# Altium PCB BACKPMANv20.PcbDoc (part 2 of 4) (continued)
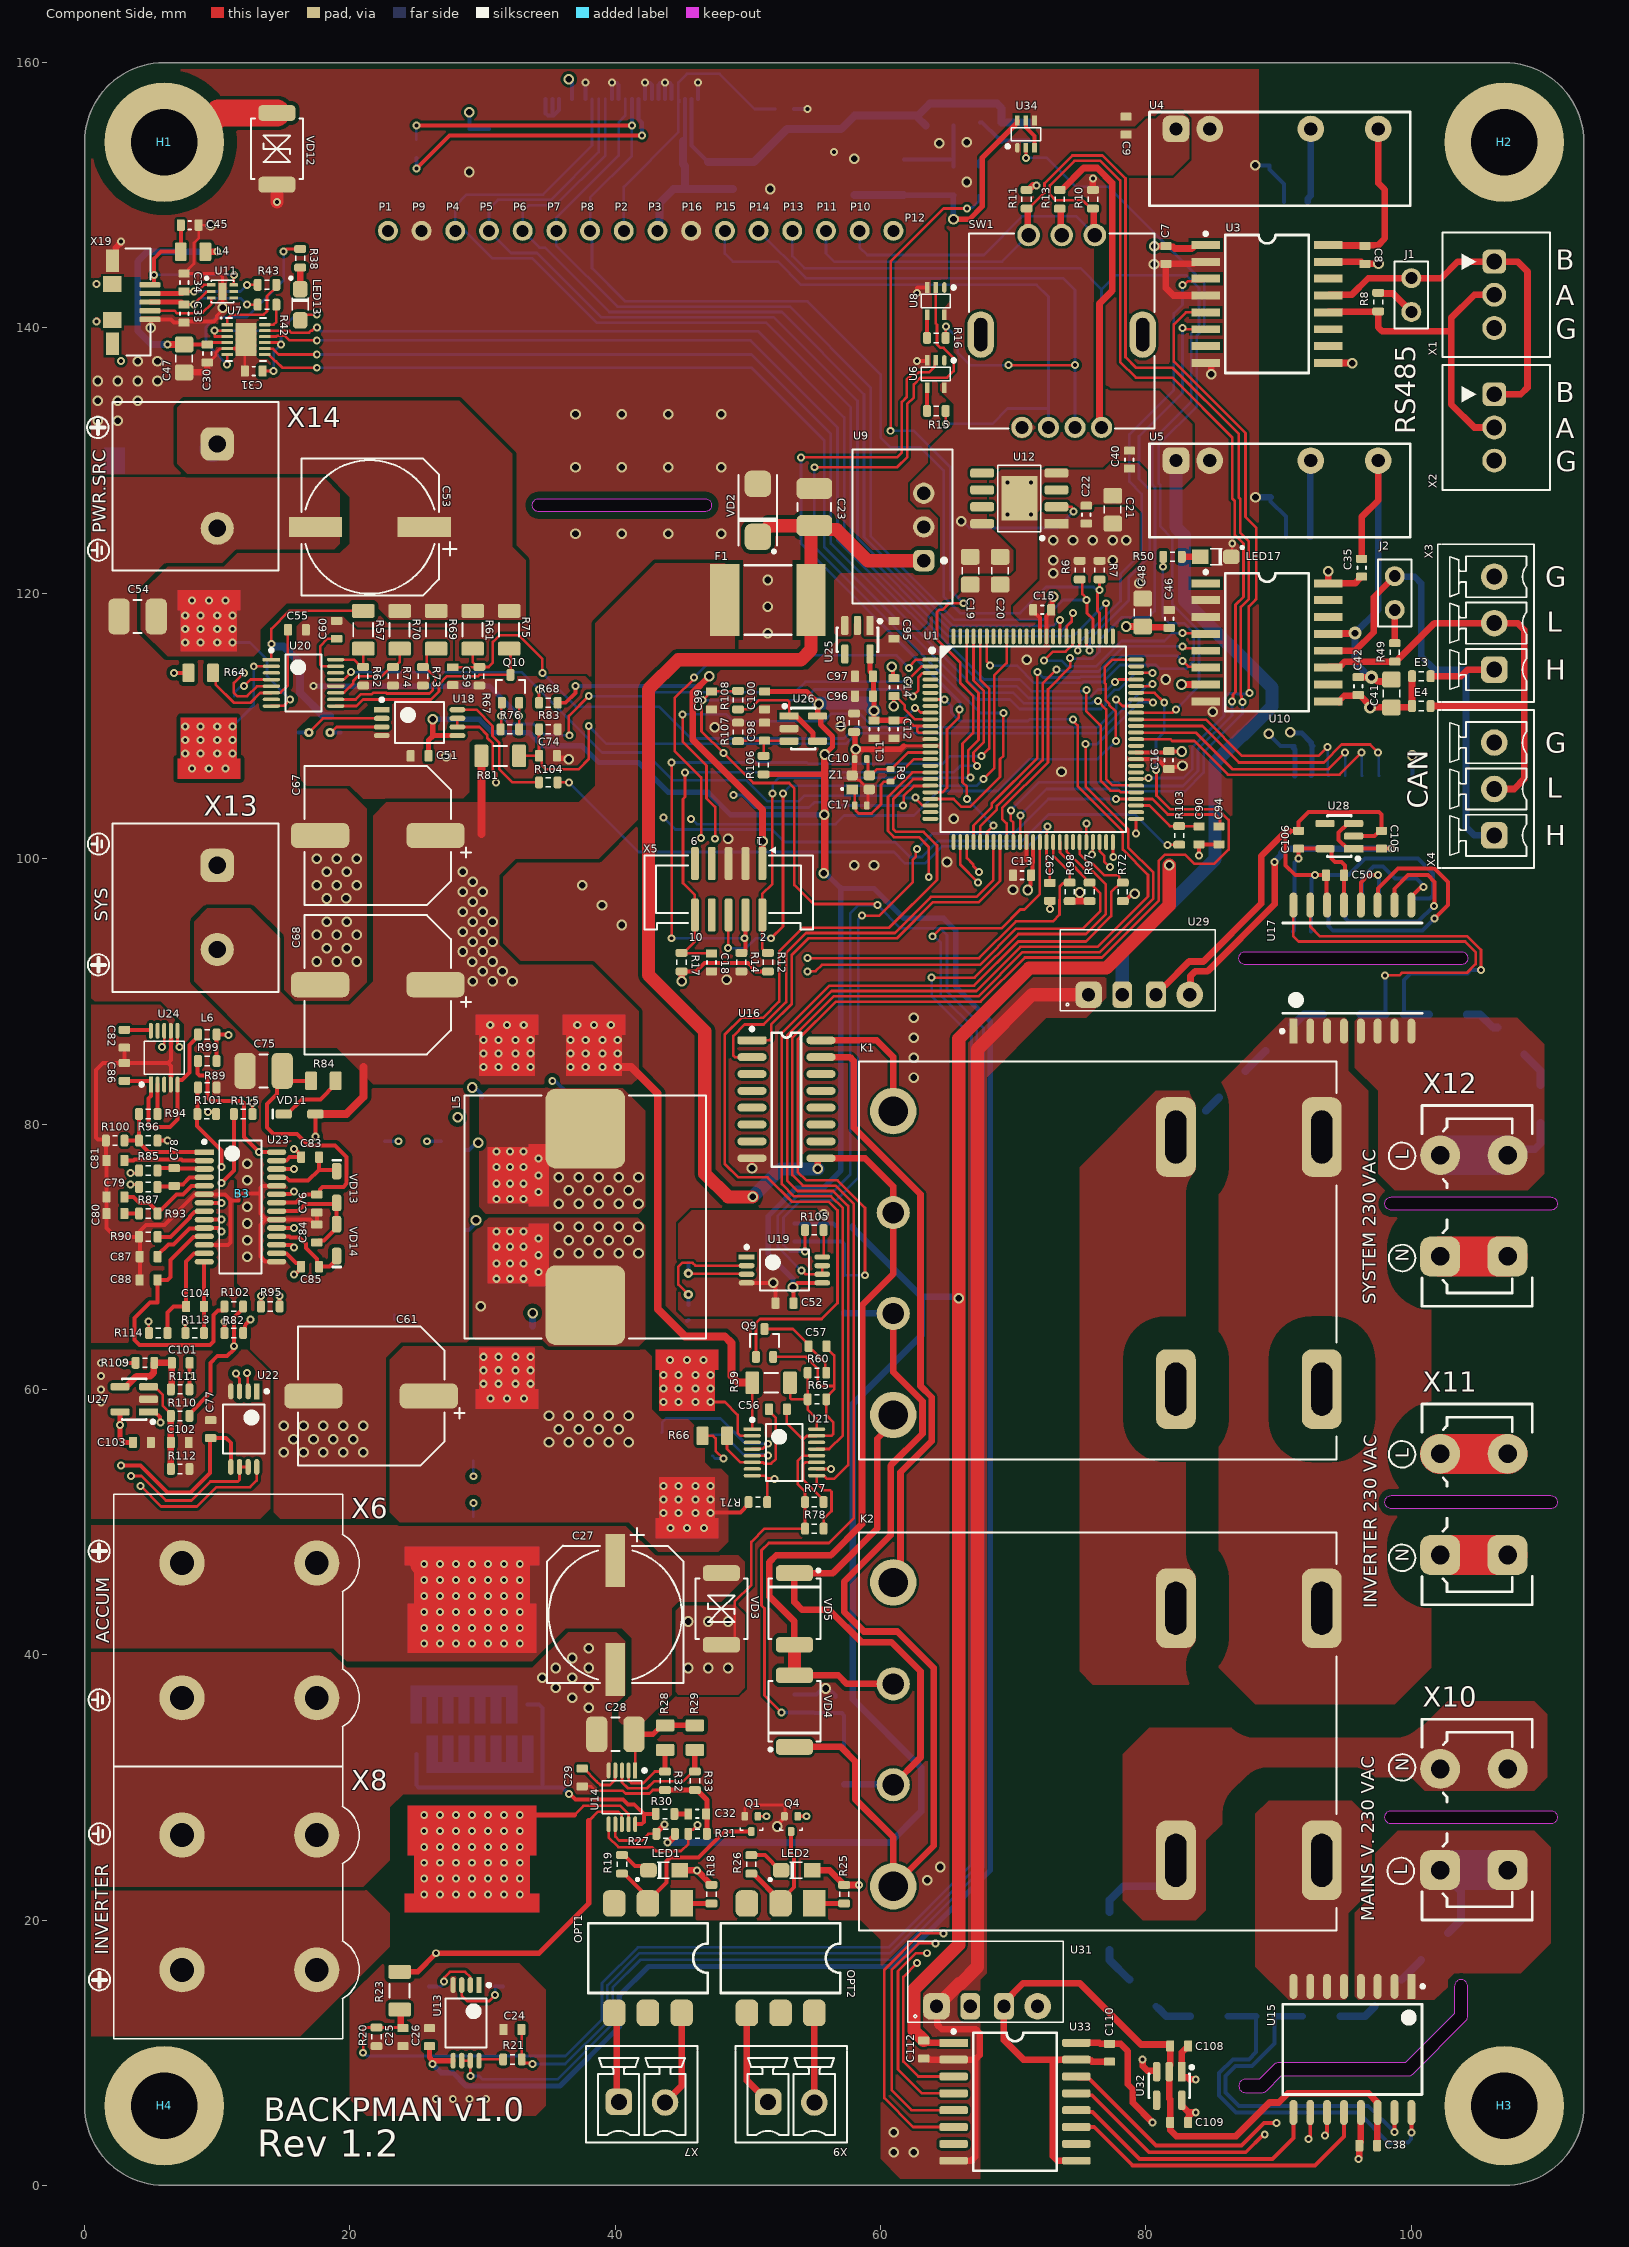
[diagram p0: Component Side view]
## Part data (continued)
R111 R112: library part ERA-3AEB823V, "82 kOhms, ±0.1%, 0.1W, 1/10W, Thin Film, ±25ppm/°C, 0603 (1608 Metric), -55°C ~ 155°C, Automotive AEC-Q200", Manufacturer="Panasonic Electronic Components", Operating Temperature="-55°C ~ 155°C", Package / Case="0603 (1608 Metric)", PartNum=P82KDBCT-ND, Power (Watts)="0.1W, 1/10W", Temperature Coefficient=±25ppm/°C, Tolerance=±0.1%, Voltage=75V, Distributor=Digi-Key, Features="Automotive AEC-Q200", Part Number=ERA-3AEB823V, PartName=ERA-3AEB823V, Price=0.26
R116 R117: "2 MOhms ±1% 0.25W, 1/4W Chip Resistor 1206 (3216 Metric) High Voltage Thick Film,-55°C ~ 155°C", Manufacturer="Vishay Dale", PartNum=BC2835CT-ND, Tolerance=±1%, Voltage=2000V, Distributor=Digi-Key, PartName=RCV12062M00FKEA, Price=0.29$
SW1: "Rotary Encoder Mechanical 24 Quadrature (Incremental) Vertical", Manufacturer="Bourns Inc.", PartNum=PEL12D-4225S-S2024-ND, Distributor=Digi-Key, PartName=PEL12D-4225S-S2024, Price=3.62$
U1: "ARM® Cortex®-M4F Kinetis KE1xF Microcontroller IC 32-Bit 168MHz 512KB (512K x 8) FLASH 100-LQFP (14x14), -40°C ~ 105°C", Manufacturer="NXP USA Inc.", PartNum=MKE18F512VLL16-ND, Distributor=Digi-Key, PartName=MKE18F512VLL16, Price=7.93$
U2: "Boost DC/DC, 2.5..5.5 to 1.24..32V, 900vA, 2.5Mhz, SOT-23-5, -40..+125 C", Manufacturer="Microchip Technology", PartNum=576-3967-1-ND, Distributor=Digi-Key, PartName=MIC2250-1YD5-TR, Supplier 1=Digi-Key, Supplier Part Number 1=576-3967-1-ND
U3: "RS422, RS485 Digital Isolator 2500Vrms 3 Channel 500kbps 25kV/µs CMTI 16-SOIC, -40°C ~ 85°C", Manufacturer="Analog Divices", PartNum=ADM2483BRWZ-ND, Distributor=Digi-Key, PartName=ADM2483BRWZ, Price=6.25$
U4 U5: "1W DC-DC Unregulated Single Output , 5V in, 5 V out,  200mA, 4 kV, -40°C ~ 85°C", Manufacturer="Recom Power", PartNum=945-3160-ND, Distributor=Digi-Key, PartName=RFMM-0505S, Price=1.7$
  U5: Supplier 1=Digi-Key, Supplier Part Number 1=945-3160-ND
U6 U8: "IC SGL SCHMITT BUFFER SOT353", Manufacturer="Diodes Incorporated", PartNum=74LVC1G17SE-7CT-ND, Distributor=Digi-Key, PartName=74LVC1G17SE-7
U7: library part FT234XD, "USB Bridge, USB to UART USB 2.0 UART Interface 12-DFN (3x3)", Manufacturer=FTDI, PartNum=768-1178-1-ND, Distributor=Digi-Key, PartName=FT234XD-R, Price=1.97$
U9: "Linear Regulator Replacement DC DC Converter 1 Output 5V 500mA 6.5V - 36V Input", Manufacturer="CUI Inc.", PartNum=102-4244-ND, Distributor=Digi-Key, PartName=VX7805-500, Price=2.7$
U10: "IC Isol TXRX CAN HS 16SOIC", Manufacturer="Analog Divices", PartNum=ADM3054BRWZ-RL7CT-ND, Distributor=Digi-Key, PartName=ADM3054BRWZ-RL7
U11: "TVS DIODE 5.5VWM 12VC 6HXSON", Manufacturer="NXP Semiconductors", PartNum=568-10921-1-ND, Distributor=Digi-Key, PartName=PUSBM5V5X4-TL,115
U12: "LDO, 3.3 V, 1A, 0.36V@1A, Vin=6V max, -40..+85C, 8-SO-EP", Manufacturer="Diodes Incorporated", PartNum=AP7361C-33SP-13DICT-ND, Distributor=Digi-Key, PartName=AP7361C-33SP-13, Price=0.56$
U13 U18 U19: "Current Sense Amplifier, 50V/V, 2V/us, 400KHz, -40°C ~ 125°C, 8-TSSOP", Manufacturer="Texas Instruments", PartNum=296-50473-1-ND, Distributor=Digi-Key, PartName=INA240A2QPWRQ1, Price=3.48$, Supplier 1=Digi-Key, Supplier Part Number 1=296-50473-1-ND
U14: library part LTC4368HMS-1_PBF, "100V UV/OV and Reverse  Protection Controller with  Bidirectional Circuit Breaker, 10-Lead Plastic MSOP, -40°C...85°C", Manufacturer="Analog Devices", PartNum=LTC4368HMS-1#PBF-ND, Distributor=Digi-Key, PartName=LTC4368HMS-1#PBF, Price=3.12$
U15 U17: "Single Phase, Isolated, AC Power Monitoring IC / with Voltage Zero Crossing and Overcurrent Detection. 517 Vrms, 90A, SPI, 3.3V,  16-SOIC (0.295\", 7.50mm Width), -40°C ~ 125°C", Manufacturer="Allegro MicroSystems", PartNum=620-ACS37800KMACTR-030B3-SPICT-ND, Distributor=Digi-Key, PartName=ACS37800KMACTR-030B3-SPI, Price=5.4$
U16: "TRANS 7 NPN DARL 50V 500MA 16SO", Manufacturer=STMicroelectronics, PartNum=497-2345-1-ND, Distributor=DigiKey, PartName=ULN2003D1013TR, Price=0.52$
U20 U21: "Surge Stopper  with Ideal Diode, 4-80V, 16-Lead MSOP, -40°C...125°C", Manufacturer="Analog Devices", PartNum=LTC4364HMS-2#PBF-ND, Distributor=Digi-Key, PartName=LTC4364HMS-2#PBF, Price=5.66$, Supplier 1=Digi-Key, Supplier Part Number 1=LTC4364HMS-2#PBF-ND
U22: "Current Sense Amplifier, 20V/V, 2V/us, 400KHz, -40°C ~ 125°C, 8-TSSOP", Manufacturer="Texas Instruments", PartNum=296-50472-1-ND, Distributor=Digi-Key, PartName=INA240A1QPWRQ1, Price=2.8$, Supplier 1=Digi-Key, Supplier Part Number 1=296-50472-1-ND
U23: "Buck-Boost Regulator Positive Output Step-Up/Step-Down DC-DC Controller IC, 28-SSOP, -40°C ~ 125°C", Manufacturer="Linear Technology/Analog Devices", PartNum=LTC3789EGN#PBF-ND, Distributor=Digi-Key, PartName=LTC3789EGN#PBF, Price=5.6$, Supplier 1=Digi-Key, Supplier Part Number 1=LTC3789EGN#PBF-ND
U24: "10-Bit Digital-to-Analog Converter with Two-Wire Interface", Manufacturer="Texas Instruments", PartNum=296-DAC80501MDGSTCT-ND, Distributor=Digi-Key, PartName=DAC80501MDGST, Price=6$, Supplier 1=Digi-Key, Supplier Part Number 1=296-DAC80501MDGSTCT-ND
U25 U28 U32: "LDO 3.3 V, 250 mA, Vin < 5.5V, Iq < 12uA, -40..+125 C, SOT23-5", Manufacturer="Texas Instruments", PartNum=296-40365-1-ND, Distributor=Digi-Key, PartName=LP5907QMFX-3.3Q1, Supplier 1=Digi-Key, Supplier Part Number 1=296-40365-1-ND
U26: "Voltage Feedback Amplifier 1 Circuit Rail-to-Rail SOT-23-5", Manufacturer="Texas Instruments", PartNum=296-39224-1-ND, Distributor=Digi-Key, PartName=THS4281DBVR, Supplier 1=Digi-Key, Supplier Part Number 1=296-39224-1-ND
U27: "OpAmp,  Rail-to-Rail,  4,5MHz, VSS 2.7V ~ 40V, Vofs125µV,  SOT-23-5, -40°C ~ 125°C", Manufacturer="Texas Instruments", PartNum=296-OPA991IDBVRCT-ND, Distributor=Digi-Key, PartName=OPA991IDBVR, Price=1.34$, Supplier 1=Digi-Key, Supplier Part Number 1=296-OPA991IDBVRCT-ND
U29 U31: "200mA, DC-DC Unregulated Single Output , 5V in, 5 V out,  -40°C ~ 105°C", Manufacturer="Mornsun America, LLC", PartNum=2725-B0505S-1WR3-ND, Distributor=Digi-Key, PartName=B0505S-1WR3, Price=1.22$, Supplier 1=Digi-Key, Supplier Part Number 1=2725-B0505S-1WR3-ND
U30 U33: "IC ISOLATOR 4CH 5.5V 16-SOIC", Manufacturer="Silicon Laboratories Inc", PartNum=336-1762-5-ND, Distributor=Digi-Key, Price=3.46$
  U33: Supplier 1=Digi-Key, Supplier Part Number 1=336-1762-5-ND
U34: "Transistor Load Switch PNP Pre-Biased, N-Channel Pre-Biased 50V PNP, 60V N-Channel 200mA PNP, 115mA N-Channel Surface Mount SOT-363", Manufacturer="Diodes Incorporated", PartNum=LMN200B02DICT-ND, Distributor=Digi-Key, PartName=LMN200B02-7, Price=0.49$, Supplier 1=Digi-Key, Supplier Part Number 1=LMN200B02DICT-ND
VD1: "150 mA, 75V, 1005, 125 C", Manufacturer="Comchip Technology", PartNum=641-1004-1-ND, Distributor=Digi-Key, PartName=CDSF4148, Price=0.23$
VD2: "DIODE TVS 28V 400W UNI 5% SMD", Manufacturer="Bourns Inc.", PartNum=SMAJ28ABCT-ND, Distributor=Digi-Key, PartName=SMAJ28A, Price=0.18$
VD3: "TVS 600W, Vbr=33.3V, Vcl=48.4V,  Bidirectional, SMB, -55°C ~ 150°C", Manufacturer="Diodes Incorporated", PartNum=SMBJ30CA-FDICT-ND, Distributor=Digi-Key, PartName=SMBJ30CA-13-F, Price=0.21$
VD4 VD5: "TVS 600W 28V Bidirectional", Manufacturer=Littelfuse, PartName=SMBJ28CABCT-ND, Distributor=DigiKey, PartNum=SMBJ28CABCT-ND, Price=0.38$
VD6 VD7: "Series Shottky Diodes array, 40V, 300 mA, SOT-323, -40°C...150°C", Manufacturer=STMicroelectronics, PartNum=497-17757-1-ND, Distributor=Digi-Key, PartName=BAT54SWFILMY
VD8 VD10: "TVS 600W, Vbr=31.1V, Vcl=45.4V, Ipp=13.2A,  Bidirectional, SMB, -55°C ~ 150°C", Manufacturer="Diodes Incorporated", PartNum=SMBJ28CA-FDICT-ND, Distributor=Digi-Key, PartName=SMBJ28CA-13-F, Price=0.21$
VD9: "Schottky Power Rectifier 15A, 50V, 470mV @ 15A, SMA, -65°C ~ 150°C", Manufacturer="Diodes Incorporated", PartNum=SBRT15U50SP5-13DICT-ND, Distributor=Digi-Key, PartName=SBRT15U50SP5-13, Price=0.83$
VD11 VD13 VD14: library part BAS316-TP, "Diode 100V, 250mA (DC), 1.25V @ 150mA, 4ns, SC-76, SOD-323, -65°C ~ 150°C", Current - Average Rectified (Io)="250mA (DC)", Current - Reverse Leakage @ Vr="1µA @ 75V", Manufacturer="Micro Commercial Co", Operating Temperature="-65°C ~ 150°C", Package / Case="SC-76, SOD-323", PartNum=BAS316-TPMSCT-ND, Voltage - DC Reverse (Vr) (Max)=100V, Voltage - Forward (Vf) (Max) @ If="1.25V @ 150mA", Distributor=Digi-Key, PartName=BAS316-TP, Part Number=BAS316-TP, Price=0.22000, Reverse Recovery Time (trr)=4ns, Speed="Fast Recovery =< 500ns, > 200mA (Io)"
VD12: "TVS 600W 28V Bidirectional", Manufacturer=Littelfuse, PartNum=SMBJ28CABCT-ND, Distributor=DigiKey, Price=0.38$
X1 X2: "Printed-circuit board connector - MCV 0,5/ 3-G-2,5 - 1881561", Manufacturer="Phoenix Contact", PartName="MCV 0,5/ 3-G-2,5", Distributor="Phoenix Contact", PartNum=1881561, Price=0.33
X3 X4: "HEADER, VERTICAL, 3.5MM, 3WAY", Manufacturer="PHOENIX CONTACT", PartName="MCV 1,5/3-G-3,5", PartNum=1843619, Distributor=Farnell
X5: "10 Positions Header Connector 0.050\" (1.27mm) Surface Mount Gold", Manufacturer="Samtec Inc.", PartName=SHF-105-01-L-D-SM
X6 X8: "TERMINAL BLOCK, PCB, 10.16MM, 2WAY", Manufacturer="PHOENIX CONTACT", PartNum=1734796, Distributor=Farnell, Price="2.83 Euro"
X7 X9: "HEADER, VERTICAL, 3.5MM, 2WAY", Manufacturer="PHOENIX CONTACT", PartNum=1843606, Distributor=Farnell, PartName="MCV 1,5/2-G-3,5"
X10 X11 X12: "Header, Nominal current: 16 A, Rated voltage (III/2): 630 V, Number of positions: 2, Pitch: 7.62 mm, Color: green", Manufacturer="PHOENIX CONTACT", PartNum=1756485, Distributor="PHOENIX CONTACT", PartName="GICV 2,5 HC/ 2-G-7,62", Price="0.66 Euro"
X13 X14: "TERMINAL BLOCK, 2WAY, 6.35 mm, 32A, 500V", Manufacturer="Phoenix Contacts", PartNum=3704683, Distributor=Farnell, Price="1.49 Euro"
X19: "USB - micro B USB 2.0 Receptacle Connector 5 Position Surface Mount, Right Angle", Manufacturer="Amphenol FCI", PartNum=609-4052-1-ND, Distributor=Digi-Key, PartName=10104110-0001LF, Price=0.79$
Z1: "16 MHz, 9 pF, ±10ppm, 2.00mm x 1.60mm, -20°C ~ 70°C", Manufacturer="Abracon LLC", PartNum=535-13598-1-ND, Tolerance="10 ppm", Distributor=Digi-Key, PartName=ABM11-16.000MHZ-9-B1U-T, Price="0.98 $"
P1 P2 P3 P4 P5 P6 P7 P8 P9 P10 P11 P12 P13 P14 P15 P16: PartName="Pin 0.9 mm"

## Via types
v1: diameter 0.6, hole 0.3, Component Side to Bottom Layer, tented both sides, 260 vias
v2: diameter 0.8, hole 0.5, Component Side to Bottom Layer, tented both sides, 242 vias
v3: diameter 0.61, hole 0.3, Component Side to Bottom Layer, tented both sides, 135 vias
v4: diameter 0.6, hole 0.3, Component Side to Bottom Layer, 88 vias
v5: diameter 1, hole 0.5, Component Side to Bottom Layer, tented both sides, 2 vias
v6: diameter 0.9, hole 0.5, Component Side to Bottom Layer, tented both sides, 1 vias

## Nets (pads, with @x,y where several pads share a name; then routed paths per layer and width w, separated by ;. In a path a pad name is that pad's centre, name@x,y a point inside that pad or via, vN(x,y) a via of type N, cw(c..) or ccw(c..) an arc to the next point about the centre after c; other vN are vias at no path point)
+3.3ADCV: C11.2 C12.1 C26.1 C51.1 C52.1 C77.1 C96.2 C97.1 C100.1 C103.1 R106.2 U1.11 U1.12 U13.5 U18.5 U19.5 U22.5 U25.5 U26.5 U27.5 | length 371.6
  Component Side w0.2: 61.85,110.425 62.086,110.425 62.494,110.017 62.883,110.017 62.9,110 ; U1.12@63.75,109.5 62.867,109.5 62.75,109.617 62.75,109.85 62.9,110 ; U1.11@63.75,110 62.9,110
  Component Side w0.3: v1(2.75,54.25) 4.225,54.25 6.25,52.225 7.975,52.225 9.451,53.701 9.451,56.276 C77.1@9.5,56.325 10.675,56.325 11.025,55.975 U22.5@11.025,54.15 ; C52.1@53.425,66.5 53.425,67.699 53.751,68.025 U19.5@55.6,68.025
  Component Side w0.4: U27.5@2.675,58.3 v1(2.675,57.312) 2.675,56.325 3,56 C103.1@3.65,56 ; C51.1@25.925,107.75 25.925,108.925 26.25,109.25 ; C26.1@26,10.5 26,9.634 v1@26.234,9.4 ; v1(26.234,9.15) v1@26.234,9.4 ; v2@26.25,110.5 26.25,109.25 ; U13.5@27.775,9.4 v1@26.234,9.4 ; U18.5@28.1,109.275 26.275,109.275 26.25,109.25 ; R106.2@51.175,106.35 55.786,106.35 ; C100.1@51.25,112.6 54.4,112.6 v2(55.342,111.658) ; v2@55.25,111.505 U26.5@55.25,110.75 55.401,110.75 55.476,110.675 55.476,110.109 56.375,109.21 56.375,108.437 v2(55.788,107.85) ; v2@55.342,111.655 v2@55.345,111.655 ; U25.5@59.2,115.425 59.2,114.1 59.425,113.875 C97.1@59.425,113.75 59.462,113.712 59.462,112.25 C96.2@59.425,112.25 59.5,112.175 v2@59.5,111.15 ; v2@59.5,110.925 C11.2@59.5,110.425 C12.1@61,110.425
  Component Side w0.5: C12.1@61,110.425 61.85,110.425
  Component Side w0.6: v2(55.704,98.9) 55.704,98.954 55.788,99.038 v2(55.788,107.85)
  Layer 2 w0.4: v1(2.75,54.25) 2.75,54.304 2.675,54.379 v1(2.675,57.312) 2.675,60.325 2.2,60.8 2.2,100.55 5.675,104.025 13.025,104.025 15.675,106.675 39.725,106.675 41.8,108.75 49.475,108.75 50.375,107.85 v2(55.788,107.85)
  Bottom Layer w0.2: v2@59.497,111.15 v2@59.5,111.15
  Bottom Layer w0.4: v1(26.234,9.15) 26.884,8.5 27.75,8.5 28.75,7.5 35.838,7.5 40.3,11.962 40.3,14.3 42.5,16.5 61,16.5 68.25,23.75 68.25,87.75 65.65,90.35 65.65,94.6 64.75,95.5 61.75,95.5 59.5,97.75 57,97.75 56.05,98.7 56.012,98.7 55.812,98.9 v2(55.704,98.9) ; v2@26.25,110.5 29.75,110.5 30.75,109.5 33.5,109.5 34.5,108.5 37.5,108.5 38.75,107.25 41.75,107.25 44,105 47,105 48.7,103.3 v2(55.75,103.3) ; v2@53.4,67.7 53.4,68.325 51.525,70.2 51.525,73.073 53.627,75.175 55.681,75.175 57,76.494 57,97.8
  Bottom Layer w1: v2(55.342,111.658) 55.342,111.675 55.392,111.725 58.925,111.725 v2(59.497,111.153)
  other v2: 53.397,67.703 26.247,110.503
+3V3: C1.2 C2.1 C7.1 C13.2 C14.2 C15.2 C16.2 C21.2 C22.2 C46.2 C48.2 C111.2 C112.2 L6.2 LCD1.5 P1.1 P12.1 R6.2 R7.1 R12.2 R13.2 R17.2 R27.2 R68.2 R72.2 R97.1 R98.1 R99.1 SW1.C U1.10 U1.38 U1.61 U1.87 U3.1 U10.7 U12.1 U30.1 U33.1 VD6.2 VD7.2 X5.1 | length 317.7
  Component Side w0.2: C14.2@61.125,112.25 61.826,111.549 61.826,111.251 62.576,110.5 U1.10@63.75,110.5
  Component Side w0.3: R99.1@9.95,84.75 L6.2@9.95,86.75 10.825,86.75 v1(10.85,86.725) ; R68.2@35.65,111.75 36.25,111.75 37,112.5 v1(37,113) ; R17.2@45,91.5 46.074,91.5 46.724,92.15 50.007,92.15 50.304,91.854 50.304,91.796 50.6,91.5 R12.2@51.5,91.5 ; v2(60.975,111.5) 60.988,111.512 60.988,112.238 C14.2@61,112.25 C14.2@61.125,112.25 ; v2(71.075,97.635) 71.075,97.771 71.313,98.008 71.313,98.738 71.432,98.857 71.432,99.625 71.5,99.693 U1.38@71.5,101.25 ; C15.2@71.5,118.75 71.5,118.625 72,118.125 U1.87@72,116.75 ; R72.2@78.25,96.8 78.4,96.8 78.95,97.35 v2(79.15,97.35) ; U1.61@79.25,108 81.625,108 C16.2@81.725,108.1 81.737,108.088 82.687,108.088 v2(82.7,108.075)
  Component Side w0.5: v1(43.925,25.85) 43.944,25.869 44.019,25.869 44.5,26.35 R27.2@44.5,26.5 ; v2(45,90.75) R17.2@45,91.5 ; v2(47.083,113.75) 45.825,112.492 45.825,108.975 51.095,103.705 v2(51.095,101.32) 51.088,101.313 51.088,99.644 X5.1@51.08,99.636 ; C112.2@63.25,10.925 63.375,10.925 63.55,10.75 U33.1@65.5,10.75 ; R13.2@73.5,149 73.525,149 73.575,148.95 73.575,147.075 SW1.C@73.65,147 ; R98.1@74.25,96.8 75,96.8 ; v2(75,97.45) 75,96.8 ; R97.1@75.75,96.8 75,96.8 ; R7.1@76.5,122.45 R7.1@76.525,122.475 ; v2(78.5,117.5) C48.2@79.75,117.5 79.8,117.45 81.7,117.45 C46.2@81.75,117.4 ; v2(80.614,146.164) 80.62,146.17 81.495,146.17 C7.1@81.5,146.175 ; C7.1@81.625,146.175 81.675,146.125 82.036,146.125 82.175,145.986 83.461,145.986 83.725,146.25 U3.1@84.5,146.25 ; v2@82.675,113.13 U10.7@84.5,113.13
  Component Side w1: C112.2@63.25,10.925 62.51,11.665 62.51,14.76 65.88,18.13 v2(65.88,66.88) 65.88,86.43 71.2,91.75 77.013,91.75 81.75,96.487 v2(81.75,99.5)
  Layer 2 w0.5: v1(10.85,86.725) 19.725,86.725 22.75,89.75 22.75,99.25 25,101.5 38.5,101.5 40.5,99.5 45.1,99.5 ; v2(45,90.75) 45,99.4 45.1,99.5 ; v2(51.095,101.32) 51.095,99.793 50.802,99.5 45.1,99.5
  Bottom Layer w0.3: v2(29,156.25) C2.1@29,155 C1.2@30.5,155 ; v2(36.5,158.75) 36.75,158.5 LCD1.5@36.75,157.25 ; v1(37,113) 46.333,113 v2(47.083,113.75) ; P12.1@60.96,147.32 P12.1@61.09,147.45 ; v2(89.25,109.4) 89.25,109.38 90.127,108.503 91.197,108.503 C111.2@91.2,108.5
  Bottom Layer w0.4: C111.2@91.075,108.375 91.225,108.225 91.225,106.265 U30.1@91.21,106.25
  Bottom Layer w0.5: v1(43.925,25.85) 60.725,25.85 63.05,28.175 63.05,31.501 VD7.2@57.951,36.6 ; VD6.2@57.9,72.3 57.9,72.15 63.075,66.975 ; VD7.2@57.95,36.6 57.9,36.65 57.9,58.9 63.075,64.075 63.075,66.975 ; v2(65.88,66.88) 65.823,66.938 65.611,66.938 65.574,66.975 63.075,66.975
  other v2: 82.675,113.125 73,121.5 73,122.5 77.5,122.5 73,124 74.5,124 76,124 77.5,124 78.5,124
+5V: C9.2 C19.2 C20.2 C40.2 C95.2 LED1.1 LED2.1 R18.1 R25.1 U4.1 U5.1 U6.5 U8.5 U9.3 U12.2 U12.8 U25.1 U25.3 U29.2 U31.2 U34.1 | length 181.9
  Component Side w0.2: U12.2@73.25,126.52 74.38,126.52 74.55,126.35 v1(74.55,126.15)
  Component Side w0.4: U9.3@63.25,127.54 U9.3@63.25,127.62 ; v2@66,125.5 v2@66.15,125.35 ; U12.8@67.55,125.35 U12.8@67.65,125.25 ; U5.1@82.154,130.106 U5.1@82.26,130 ; U4.1@82.21,155.05 U4.1@82.26,155 U4.1@82.325,154.935
  Component Side w0.5: LED1.1@44.85,23.75 v1(46.15,23.75) 47.05,22.85 47.05,22.7 47.1,22.65 R18.1@47.25,22.65 R18.1@47.3,22.6 ; LED2.1@54.85,23.75 56.15,23.75 57.05,22.85 57.05,22.7 57.1,22.65 R25.1@57.25,22.65 57.256,22.644 58.356,22.644 v1(58.362,22.638)
  Layer 1 w1: v1(46.15,23.75) 47.262,22.638 v1(58.362,22.638) 58.362,20.738 61.125,17.975 61.125,12.625 62.325,11.425 66.002,11.425 66.588,12.011 66.588,13.338 U31.2@66.75,13.5 ; U31.2@66.75,13.25 66.75,17.5 69.85,20.6 69.85,83.95 72.225,86.325 76.375,86.325 78.179,88.129 78.179,89.719 U29.2@78.21,89.75
  Bottom Layer w0.2: v2@66,125.5 66.108,125.5 66.683,124.925 73.325,124.925 v1(74.55,126.15)
  Bottom Layer w1: U29.2@78.21,89.75 78.21,92.96 85.2,99.95 85.2,107.261 87.214,109.275 87.3,109.275 89.5,111.475 89.5,112.875 82.9,119.475 82.9,124.35 82.26,124.99 U5.1@82.26,130
  other v2: 66.075,125.425
ACC4: Q2.1 Q3.1 R30.1 U14.10 | length 29.8
  Component Side w0.3: v1(36.5,29.5) 36.581,29.5 36.986,29.095 40.588,29.095 40.962,28.721 41.429,28.721 42.15,28 ; U14.10@41.55,27.225 41.974,27.225 42.15,27.401 42.15,28 ; R30.1@43.05,28 42.15,28
  Bottom Layer w0.3: Q3.1@25,32.5 25,30.176 25.176,30 34.5,30 ; Q2.1@33.4,36.25 34.25,36.25 34.5,36 34.5,30 ; v1(36.5,29.5) 36,30 34.5,30
ACC5: R28.1 R32.2 U14.2 | length 5.6
  Component Side w0.2: U14.2@41,31.275 41.01,31.265 41.01,30.534 41.209,30.335 42.119,30.335 42.984,31.2 R32.2@43.75,31.2
  Component Side w0.4: R32.2@43.75,31.2 R28.1@43.75,32.825
ACC_DC_BUS: C61.1 C62.1 C63.1 C64.1 C65.1 C66.1 Q6.3 Q14.3 R71.2 R80.2 R96.2 R102.2 R110.1 VD9.3 | length 57.9
  Component Side w0.3: R96.2@5.5,78.75 v1(6.25,78.75) ; R110.1@7.9,58 7.9,58.15 9.5,59.75 9.5,62 10,62.5 10.75,62.5 11.25,63 v1(11.25,63.25) 11.25,65.4 11.95,66.1 R102.2@11.95,66.25 ; v3(47.183,50.672) 47.236,50.725 49.425,50.725 50.05,51.35 R71.2@50.05,51.5
  Layer 1 w0.3: v1(6.25,78.75) 5,77.5 3.5,77.5 2.5,76.5 2.5,75 3,74.5 6.25,74.5 8.75,72 8.75,65.5 10,64.25 10.75,64.25 11.25,63.75 v1(11.25,63.25) 12.5,63.25 14.312,61.438 v3(30.067,61.438)
  Bottom Layer w0.3: v3@30.015,60.422 v3(30.067,60.422)
  other v2: 35,56 36.5,56 38,56 39.5,56 41,56 35.75,57 37.25,57 38.75,57 40.25,57 35,58 36.5,58 38,58 39.5,58 41,58
  other v3: 44.15,49.55 45.4,49.55 46.675,49.55 43.627,50.672 44.77,50.672 46.04,50.672 43.627,51.688 44.77,51.688 46.04,51.688 47.183,51.688 43.627,52.704 44.77,52.704 46.04,52.704 47.183,52.704 30.59,59.3 31.84,59.3 33.115,59.3 31.21,60.422 32.48,60.422 33.623,60.422 31.21,61.438 32.48,61.438 33.623,61.438 30.067,62.454 31.21,62.454 32.48,62.454 33.623,62.454
ACC_I+: B2.2 U13.2 | length 3.7
  Component Side w0.2: 27.113,15.687 27.526,16.1 28.674,16.1 29.075,15.699 U13.2@29.075,15.1
  Bottom Layer w0.2: B2.2@26.55,15 26.883,15 26.998,15.116 26.998,15.307 v1(27.075,15.383)
ACC_I-: B1.2 U13.3 | length 4.3
  Component Side w0.2: U13.3@28.425,15.1 28.425,14.3 28.825,13.9 30.5,13.9 v1(30.95,14.35)
  Bottom Layer w0.2: v1(30.95,14.35) 30.95,14.55 B1.2@30.95,15
ACC_PWR: C27.1 C28.1 Q2.3 R28.2 R29.2 R80.1 U14.1 VD3.2 X6.1 | length 7.8
  Component Side w0.2: C28.1@41.4,34 41.5,33.9 U14.1@41.5,31.275
  Component Side w0.4: C28.1@41.4,34 42.825,34 43.5,34.675 R28.2@43.75,34.675 R29.2@46,34.675
  Component Side w2: v4@25.52,46.91 v4(25.6,46.83)
  other v4: 25.6,40.83 26.8,40.83 28,40.83 29.2,40.83 30.4,40.83 31.6,40.83 32.8,40.83 25.6,42.03 26.8,42.03 28,42.03 29.2,42.03 30.4,42.03 31.6,42.03 32.8,42.03 25.6,43.23 26.8,43.23 28,43.23 29.2,43.23 30.4,43.23 31.6,43.23 32.8,43.23 25.6,44.43 26.8,44.43 28,44.43 29.2,44.43 30.4,44.43 31.6,44.43 32.8,44.43 25.6,45.63 26.8,45.63 28,45.63 29.2,45.63 30.4,45.63 31.6,45.63 32.8,45.63 26.8,46.83 28,46.83 29.2,46.83 30.4,46.83 31.6,46.83 32.8,46.83
ACCID_I+: R56.3 U19.2 | length 7.8
  Component Side w0.2: R56.3@45.5,67.15 44.75,67.9 44.75,69.25 45.037,69.537 45.818,69.537 46.03,69.325 U19.2@49.9,69.325
ACCID_I-: R56.4 U19.3 | length 4.4
  Component Side w0.2: R56.4@45.5,68.75 45.538,68.712 49.863,68.712 U19.3@49.9,68.675
ACCUM_I: C90.2 R103.2 U1.53 | length 5.4
  Component Side w0.2: U1.53@79.25,104 80.25,104 81.8,102.45 R103.2@82.5,102.45 83.975,102.45 C90.2@84,102.425
ACCUM_I+: R80.3 R113.2 U22.2 | length 37.2
  Component Side w0.2: v1(7.575,65.075) 7.587,65.063 7.587,64.263 R113.2@7.6,64.25 ; v1(12.25,61.25) 12.287,61.213 12.287,59.887 U22.2@12.325,59.85
  Layer 1 w0.2: v1(7.575,65.075) 7.575,63.367 7.692,63.25 8.75,63.25 9.5,62.5 11,62.5 v1(12.25,61.25) 12.25,56 14,54.25 29.488,54.25 30.11,53.628 30.11,52.998 29.3,52.188 v1(29.3,51.45)
  Bottom Layer w0.2: R80.3@29.3,50.4 v1(29.3,51.45)
ACCUM_I-: R80.4 R114.2 U22.3 | length 36.5
  Component Side w0.2: v1(4.81,65.105) 4.83,65.085 4.83,64.27 R114.2@4.85,64.25 ; v1(11.413,61.182) 11.413,61.074 11.675,60.812 U22.3@11.675,59.85
  Layer 1 w0.2: v1(4.81,65.105) 4.918,65.105 5.05,64.973 5.127,64.973 5.682,64.418 7.008,64.418 7.125,64.3 7.125,62.975 7.35,62.75 8.5,62.75 9.25,62 10.595,62 v1(11.413,61.182) 11.413,61.128 11.81,60.731 11.81,58.318 11.81,55.818 13.878,53.75 28.983,53.75 29.283,53.45 v1(29.3,53.45)
  Bottom Layer w0.2: v1(29.3,53.45) R80.4@29.3,54.6
ACCUM_ID_I: C94.2 R105.2 U1.54 | length 65.4
  Component Side w0.2: v1(54.3,70.375) R105.2@54.3,72 ; v1(58.6,95.7) 59.9,95.7 62.425,98.225 62.425,99.925 62.648,100.148 62.648,100.648 v1(62.725,100.725) ; v1(77.75,104.5) U1.54@79.25,104.5 80.475,104.5 81.65,103.325 85.25,103.325 85.575,103 85.575,102.5 C94.2@85.5,102.425
  Bottom Layer w0.2: v1(54.3,70.375) 53.17,70.375 52.675,70.87 52.675,72.95 53.975,74.25 56.625,74.25 58.3,75.925 58.3,95.4 v1(58.6,95.7) ; v1(62.725,100.725) 63.9,101.9 70.039,101.9 72.639,104.5 v1(77.75,104.5)
ACCUM_V: C101.1 R111.2 U1.75 U27.1 | length 140.3
  Component Side w0.2: v1(77.725,108.875) 77.725,111.091 77.225,111.591 77.225,111.676 76.968,111.933 76.968,113.15 76.9,113.218 76.9,114.434 77.466,115 U1.75@79.25,115
  Component Side w0.3: U27.1@4.825,58.3 5.275,58.3 5.676,57.899 5.676,57.552 v1(5.733,57.494) ; R111.2@7.9,59.85 R111.2@7.9,60 7.912,60.012 v1(7.912,61) 7.912,61.987 C101.1@7.925,62
  Layer 1 w0.3: v1(5.733,57.494) 7.912,59.674 v1(7.912,61)
  Layer 2 w0.2: v1(7.912,61) 6.4,61 3.675,63.725 3.675,74.25 4.9,75.475 4.9,76.95 3.525,78.325 3.525,100.037 6.213,102.725 13.606,102.725 15.831,104.95 30.05,104.95 30.8,104.2 38.231,104.2 39.281,105.25 40.626,105.25 43.376,102.5 45.2,102.5 v1(45.7,103)
  Bottom Layer w0.2: v1(45.7,103) 45.749,103 46.149,102.6 56.6,102.6 57.25,103.25 62.5,103.25 64.35,105.1 68.825,105.1 71.225,107.5 76.35,107.5 v1(77.725,108.875)
AGND: C11.1 C12.2 C24.1 C25.1 C26.2 C51.2 C52.2 C59.1 C74.1 C77.2 C90.1 C92.1 C94.1 C95.1 C96.1 C97.2 C98.2 C99.2 C100.2 C102.2 C103.2 L3.2 R20.1 R67.1 R83.1 R107.1 R112.1 U1.13 U13.4 U18.4 U19.4 U22.4 U25.2 U26.2 U27.2 | length 68.1
  Component Side w0.2: v2@47.25,110.108 47.375,109.983 47.375,109.9 v2(47.483,109.9) ; C98.2@51.25,110.25 C98.2@51.375,110.25
  Component Side w0.3: U19.4@49.9,68.025 v2(51.899,68.025) 52.075,67.849 C52.2@52.075,66.437 ; C52.2@52.075,66.375 C52.2@52.075,66.5 ; v1(72.75,96.2) C92.1@72.75,96.825 ; v1(84,100.225) C90.1@84,101.075 C94.1@85.5,101.075
  Component Side w0.4: C59.1@27.75,113.075 C59.1@27.762,113.063 ; R67.1@29.737,113.063 R67.1@29.75,113.05 ; R83.1@35.55,109.8 R83.1@35.625,109.725 ; C74.1@35.6,107.75 35.7,107.65 35.7,107.577 36.423,107.577 v2(36.5,107.5) ; C96.1@58.038,112.213 C96.1@58.075,112.25 ; L3.2@58.055,110.855 58.15,110.95 L3.2@58.25,110.85 ; U25.2@58.25,117.125 U25.2@58.25,117.575 ; C11.1@59.375,109.075 C11.1@59.5,109.075
  Layer 2 w1: v1(1.25,59) v1(1.25,60) v1(1.25,61) v1(1.25,62) 1.25,101 5.2,104.95 12.45,104.95 15.213,107.713
  other v1: 26.5,6.5 27.75,6.5 29,6.5 30.25,6.5
  other v2: 27.25,107.713 56.992,109.97
AIDS_FAULT: R72.1 U1.45 U21.13 | length 72.8
  Component Side w0.2: U21.13@55.175,55.5 56.125,55.5 57.15,56.525 57.15,73.653 56.253,74.55 53.466,74.55 52.55,75.466 52.55,86.847 56.128,90.425 67.047,90.425 70.372,93.75 75.466,93.75 77.375,95.659 77.375,97.475 R72.1@78.1,98.2 ; U1.45@75,101.25 75,100.35 75.7,99.65 75.952,99.65 76.852,98.75 77.879,98.75 77.996,98.633 77.996,98.396 78.143,98.25 78.25,98.25 R72.1@78.25,98.2
AIDS_FBC: Q9.1 U1.19 | length 71.1
  Component Side w0.2: Q9.1@50.6,62.45 50.6,64.986 50.914,65.3 55.55,65.3 56.75,66.5 56.75,73.487 56.087,74.15 53.3,74.15 51.475,75.975 49.275,75.975 48.25,77 48.25,86.75 49.5,88 51.119,88 52.35,89.231 52.35,93 54.15,94.8 60.649,94.8 64.25,98.401 64.25,101 63.225,102.025 61.175,102.025 60.95,102.25 60.95,104.491 62.459,106 U1.19@63.75,106
AIDS_SHDN: R78.2 U1.7 U21.9 | length 102.8
  Component Side w0.2: R78.2@55.7,49.5 55.7,50.225 56.3,50.825 56.3,52.275 56.175,52.4 55.7,52.4 55.175,52.925 U21.9@55.175,53.5 55.711,53.5 55.961,53.25 56.5,53.25 57.55,54.3 57.55,73.819 56.419,74.95 53.75,74.95 52.95,75.75 52.95,86.681 56.294,90.025 67.212,90.025 70.537,93.35 76.35,93.35 80.15,97.15 80.15,98.784 78.25,100.684 78.25,102.059 74.85,105.459 74.85,110.042 74.5,110.392 v1(74.5,110.5) ; U1.7@63.75,112 v1(64.825,112)
  Bottom Layer w0.2: v1(64.825,112) 65.335,111.49 65.335,110.99 65.95,110.375 71.108,110.375 71.233,110.5 v1(74.5,110.5)
BG1: Q17.1 U23.23 | length 18.7
  Component Side w0.2: U23.23@14.475,74.702 U23.23@14.504,74.731
  Component Side w0.3: U23.23@14.504,74.731 14.51,74.725 15.519,74.725 15.719,74.925 v1(15.8,74.925)
  Layer 1 w0.5: v1(15.8,74.925) 27.275,74.925 29.679,77.329 v2(29.679,78.579)
  Bottom Layer w0.3: Q17.1@28.75,78.04 28.975,78.04 29.419,78.484 29.584,78.484 v2(29.679,78.579)
BG2: Q18.1 U23.19 | length 16.5
  Component Side w0.3: U23.19@14.475,72.162 15.781,72.162 v1(15.796,72.148)
  Layer 1 w0.5: v1(15.796,72.148) 16.398,72.75 v2(29.5,72.75)
  Bottom Layer w0.3: Q18.1@28.75,72.02 28.975,72.02 29.5,72.545 v2(29.5,72.75)
CAN0_RX: U1.30 U10.5 | length 27.6
  Component Side w0.2: U1.30@67.5,101.25 67.5,102.434 68.762,103.696 68.762,103.971 72.212,107.421 72.212,113.212 v1(73.25,114.25) ; v1(82.75,116) 82.885,116 83.015,115.87 84.3,115.87 U10.5@84.5,115.67
  Bottom Layer w0.2: v1(73.25,114.25) 73.327,114.173 73.807,114.173 73.87,114.111 76.427,114.111 78.315,116 v1(82.75,116)
CAN0_TX: U1.29 U10.6 | length 28.7
  Component Side w0.2: U1.29@67,101.25 67,102.5 68.362,103.862 68.362,104.137 71.812,107.587 v1(71.812,114.062) ; v1(82.768,114.9) 83.192,114.476 84.424,114.476 U10.6@84.5,114.4
  Bottom Layer w0.2: v1(71.812,114.062) 71.837,114.062 72.249,113.65 75.025,113.65 75.086,113.711 76.592,113.711 78.181,115.3 82.319,115.3 82.719,114.9 v1(82.768,114.9)
CAN0H: E3.2 J2.2 U10.12 X3.1 X4.1 | length 41.8
  Component Side w0.5: U10.12@93.75,115.67 95.763,115.67 97.161,117.068 97.161,119.701 J2.2@98.75,121.29 ; E3.2@101.45,113.75 103.75,113.75 104.25,114.25 X3.1@106.25,114.25
  Bottom Layer w0.5: J2.2@98.75,121.29 98.79,121.25 100.25,121.25 100.75,120.75 100.75,115.25 101.75,114.25 104.116,114.25 ; X4.1@106.25,101.75 104.75,101.75 104.116,102.384 104.116,114.25 ; X3.1@106.25,114.25 104.116,114.25
CAN0L: E4.2 R49.1 U10.11 X3.2 X4.2 | length 37.2
  Component Side w0.5: U10.11@93.75,114.4 93.8,114.45 94.575,114.45 94.975,114.85 R49.1@98.75,114.85 ; R49.1@98.851,114.85 101.751,117.75 X3.2@106.25,117.75 108,117.75 108.5,117.25 108.5,111.625 ; E4.2@101.45,111.5 108.375,111.5 108.5,111.625 ; X4.2@106.25,105.25 107.75,105.25 108.5,106 108.5,111.625
CANCTRL: U1.82 U10.4 | length 16.7
  Component Side w0.2: v1(72.325,114.925) 73,115.6 73.936,115.6 74.481,116.144 74.481,116.731 U1.82@74.5,116.75 ; v1(82.75,117) 84.44,117 U10.4@84.5,116.94
  Bottom Layer w0.2: v1(72.325,114.925) 73.621,114.925 74.035,114.511 76.261,114.511 78.15,116.4 81.4,116.4 82,117 v1(82.75,117)
CGND: B3.2 C79.1 C80.1 C81.1 C82.1 C86.2 C87.2 C88.2 R90.1 R100.1 U23.6 U23.12 U24.4 U24.7 | length 44.6
  Component Side w0.3: C82.1@3,85.75 C86.2@3,84.6 ; R90.1@4.1,71.5 3.176,71.5 3.125,71.449 2.351,71.449 1.65,72.15 C80.1@1.65,73.25 C79.1@1.65,74.5 C81.1@1.65,77.25 1.625,77.275 1.625,78.725 R100.1@1.6,78.75 1.525,78.825 1.025,78.825 0.875,78.975 0.875,84.075 1.4,84.6 C86.2@3,84.6 ; C88.2@4.15,68.25 4.175,68.275 4.175,71.95 4.625,72.4 6.025,72.4 8.305,74.68 9.002,74.68 U23.6@9.025,74.702 10.594,74.702 11.047,74.25 11.6,74.25 B3.2@11.6,74.75 ; U24.4@6.5,82.975 6.5,84.375 6.275,84.6 ; U24.7@6.5,87.025 6.5,84.825 6.275,84.6 ; U23.12@9.025,70.892 10.824,70.892 11.015,71.083 11.015,72.186 11,72.201 11,74.297 ; C86.2@3,84.6 6.275,84.6
DCDC_MODE: R115.2 U1.9 | length 100.7
  Component Side w0.2: R115.2@12.65,80.75 v1(12.65,81.575) ; v1(45.075,110.875) 45.075,108.819 46.875,107.019 46.875,104.55 47.525,103.9 v1(47.525,101.5) ; v1(62.575,111.35) 62.683,111.35 63.014,111.019 63.731,111.019 U1.9@63.75,111
  Layer 2 w0.2: v1(12.65,81.575) 11.372,81.575 11.022,81.925 5.766,81.925 5.1,82.591 5.1,99.309 7.316,101.525 14.103,101.525 15.328,102.75 40.75,102.75 42.55,100.95 46.975,100.95 v1(47.525,101.5)
  Bottom Layer w0.2: v1(45.075,110.875) 48.375,110.875 48.9,110.35 55.725,110.35 56.3,110.925 58.413,110.925 59.015,110.322 61.547,110.322 v1(62.575,111.35)
DCDC_PGOOD: R95.1 U1.20 | length 106.9
  Component Side w0.2: R95.1@13.3,66.25 v1(13.3,67.05) ; v1(61.7,104) 61.729,104.029 61.729,104.704 62.506,105.481 U1.20@63.631,105.481
  Layer 2 w0.2: v1(13.3,67.05) 12.25,68.1 6.125,68.1 4.125,70.1 4.125,74.125 4.325,74.325 4.325,74.334 5.3,75.309 5.3,77.15 3.925,78.525 3.925,99.871 6.379,102.325 13.772,102.325 15.197,103.75 41.25,103.75 42.9,102.1 45.649,102.1 48.349,104.8 v1(48.925,104.8)
  Bottom Layer w0.2: v1(48.925,104.8) 49.55,104.8 50.5,103.85 54.6,103.85 55,104.25 56.599,104.25 56.849,104 v1(61.7,104)
Earth: H1.0 VD12.2 | length 9.4
  Component Side w2: H1.0@6,154 7.894,154 10.094,156.2 VD12.2@14.5,156.2
EN_CHARGER: R101.2 U1.1 | length 99.7
  Component Side w0.2: v1(9.3,80.905) 9.745,80.905 R101.2@9.9,80.75 ; v1(45.923,113.652) 45.923,113.548 44.475,112.1 44.475,108.124 46.475,106.124 v1(46.475,101.55) ; v1(62.135,114.386) 62.135,114.46 62.675,115 U1.1@63.75,115
  Layer 2 w0.2: v1(9.3,80.905) 8.68,81.525 5.6,81.525 4.7,82.425 4.7,99.475 7.15,101.925 13.938,101.925 15.263,103.25 41.084,103.25 42.784,101.55 v1(46.475,101.55)
  Bottom Layer w0.2: v1(45.923,113.652) 47.597,115.325 61.196,115.325 v1(62.135,114.386)